# Altium PCB OpenCore_Carrier_Board.PcbDoc (part 4 of 5)
Units mm, origin at the board's own origin, x right, y up, seen from the top; angles counter-clockwise.
Board outline 161.24 x 91.44 mm, 6 copper layers (TOP, L2 GND, L3 PWR, L4 SIG, L5 GND, BOT), stack 1.538 mm thick; 268 components, 173 nets, 1302 pads, 1165 vias.
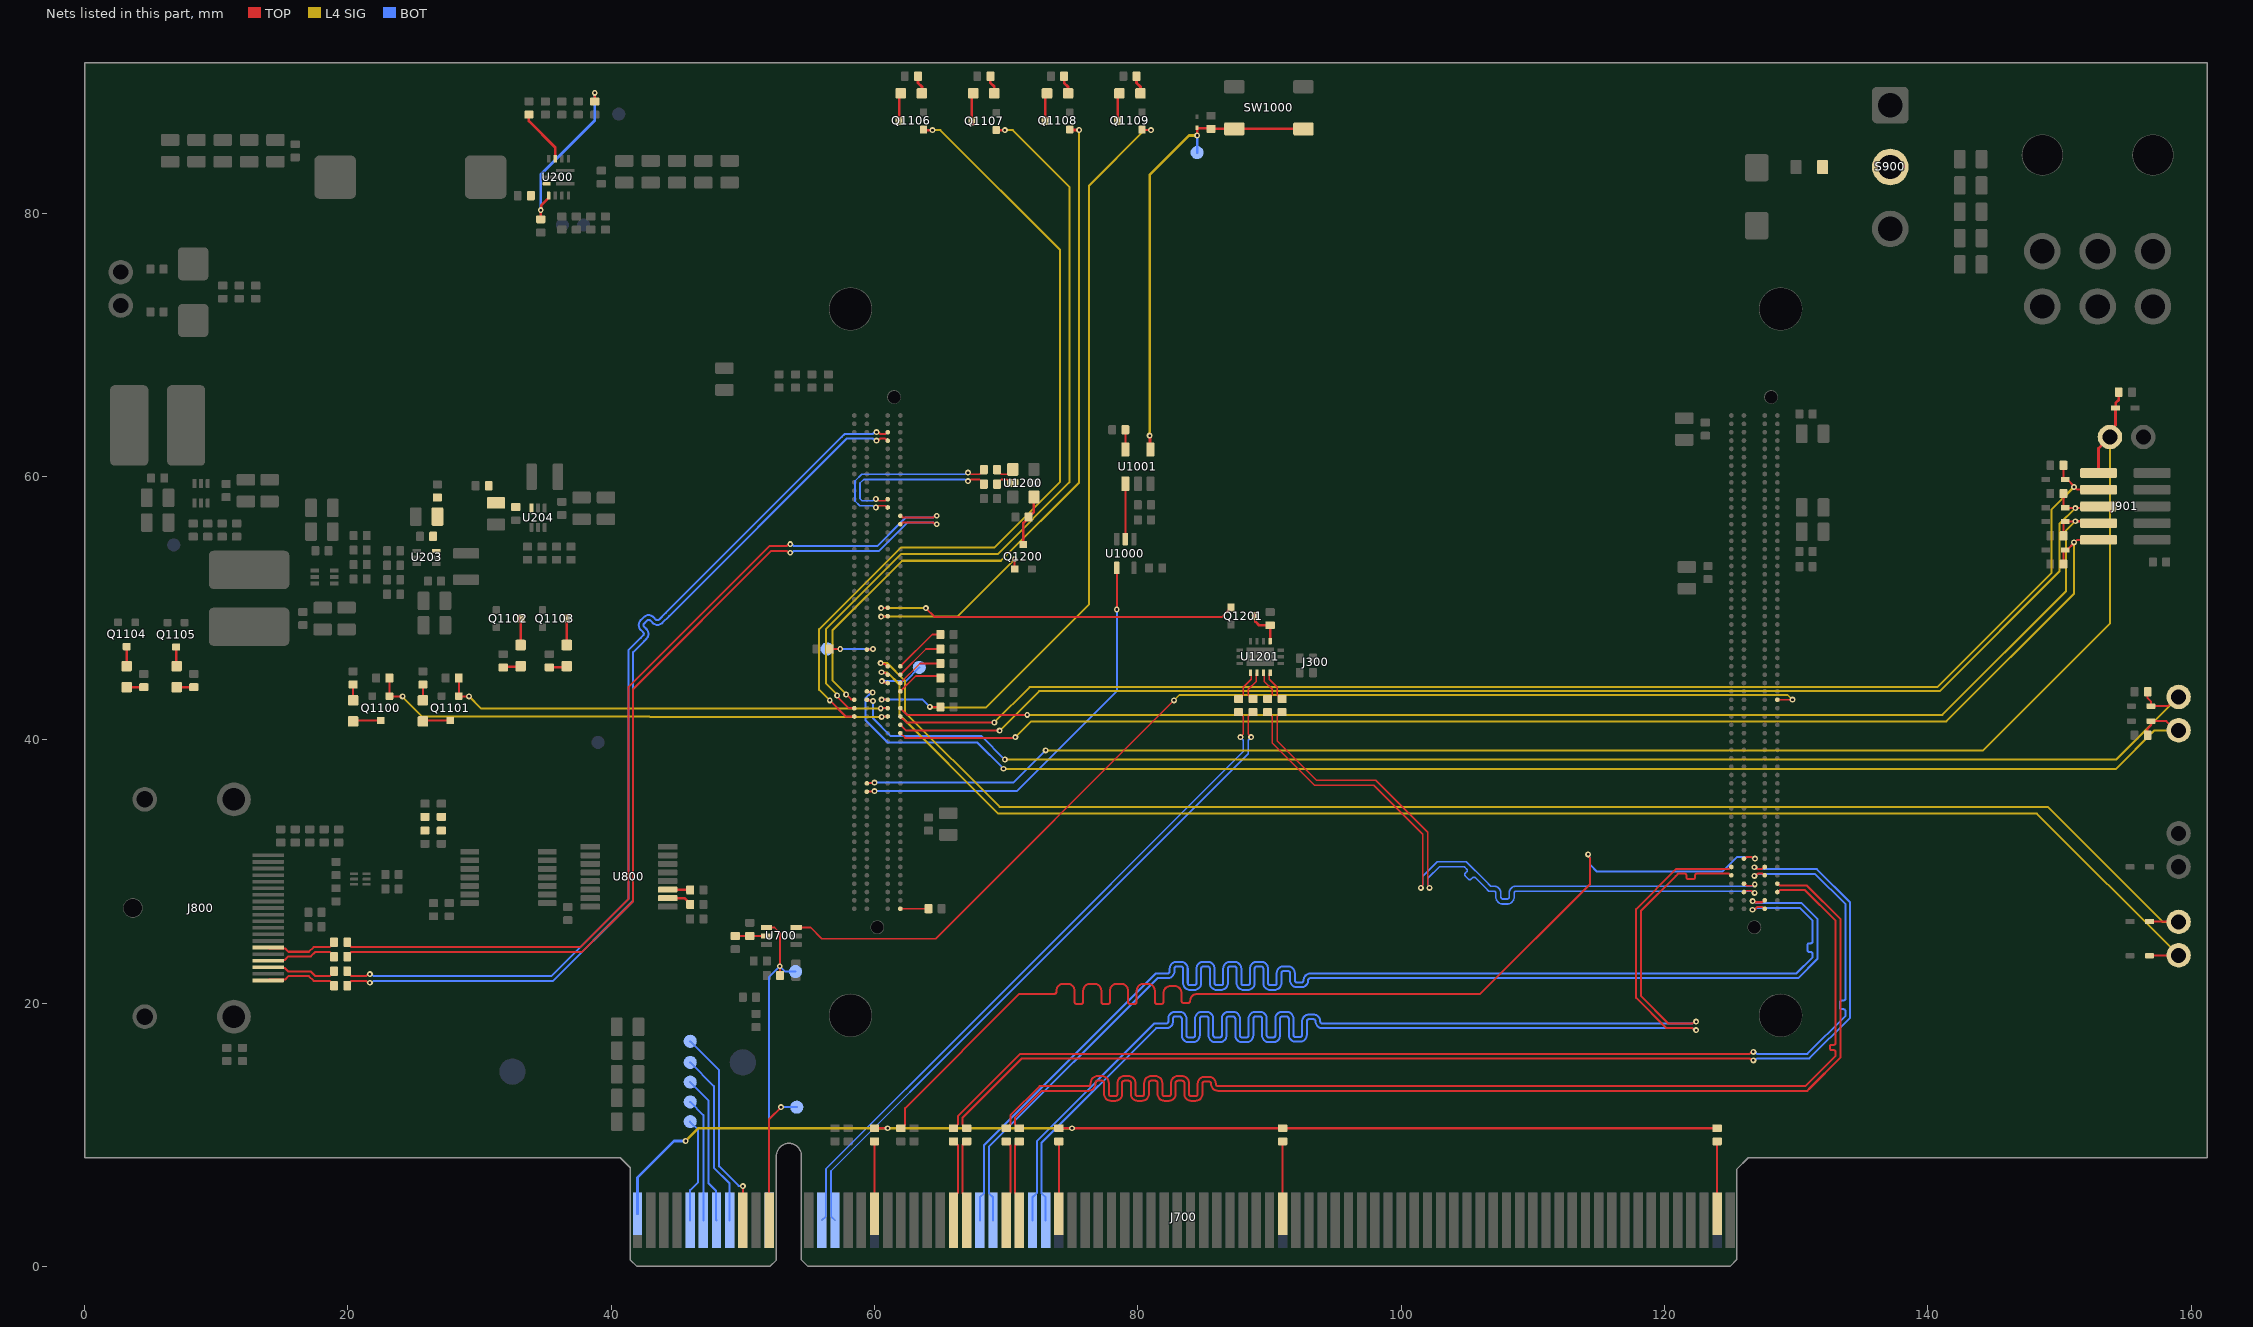
[diagram p8: the nets of this part, all layers, seen from the top]

## Via types
v1: diameter 0.45, hole 0.2, TOP to BOT, tented both sides, 1165 vias

## Nets (pads, with @x,y where several pads share a name; then routed paths per layer and width w, separated by ;. In a path a pad name is that pad's centre, name@x,y a point inside that pad or via, vN(x,y) a via of type N, cw(c..) or ccw(c..) an arc to the next point about the centre after c; other vN are vias at no path point) (continued)
GTH_DP1_M2C_P: C704.2 J300.S2_C7 | length 89.7
  TOP w0.152: C704.2@62,10.5 62.05,10.5 62.322,10.772 62.322,12.025 70.997,20.7 73.4,20.7 73.654,20.7 ccw(c73.654,20.865) 73.819,20.865 73.819,20.941 cw(c74.34,20.941) 74.34,21.462 74.67,21.462 cw(c74.67,20.941) 75.191,20.941 75.191,20.103 ccw(c75.356,20.103) 75.356,19.938 75.686,19.938 ccw(c75.686,20.103) 75.851,20.103 75.851,20.941 cw(c76.372,20.941) 76.372,21.462 76.702,21.462 cw(c76.702,20.941) 77.223,20.941 77.223,20.103 ccw(c77.388,20.103) 77.388,19.938 77.718,19.938 ccw(c77.718,20.103) 77.883,20.103 77.883,20.941 cw(c78.404,20.941) 78.404,21.462 78.734,21.462 cw(c78.734,20.941) 79.255,20.941 79.255,20.103 ccw(c79.42,20.103) 79.42,19.938 79.75,19.938 ccw(c79.75,20.103) 79.915,20.103 79.915,20.941 cw(c80.436,20.941) 80.436,21.462 80.766,21.462 cw(c80.766,20.941) 81.287,20.941 81.287,20.103 ccw(c81.452,20.103) 81.452,19.938 81.782,19.938 ccw(c81.782,20.103) 81.947,20.103 81.947,20.778 cw(c82.468,20.778) 82.468,21.299 82.798,21.299 cw(c82.798,20.778) 83.319,20.778 83.319,20.179 ccw(c83.484,20.179) 83.484,20.014 83.814,20.014 ccw(c83.814,20.179) 83.979,20.179 cw(c84.5,20.179) 84.5,20.7 85.751,20.7 106,20.7 114.347,29.047 114.347,31.018 114.257,31.108 114.257,31.243 v1(114.2,31.3) ; J300.S2_C7@126.035,30.977 126.086,30.977 126.226,31.117 126.593,31.117 126.683,31.027 126.818,31.027 v1(126.875,30.97)
  BOT w0.152: v1(114.2,31.3) 114.257,31.243 114.257,31.108 114.347,31.018 114.347,30.515 114.872,29.99 124.393,29.99 125.52,31.117 126.593,31.117 126.683,31.027 126.818,31.027 v1(126.875,30.97)
GTH_DP2_C2M_N: J300.S2_B2 J700.A26 | length 97.5
  TOP w0.152: v1(126.689,27.743) 126.746,27.686 126.904,27.686 126.927,27.663 127.424,27.663 127.564,27.802 J300.S2_B2@127.615,27.802
  BOT w0.152: J700.A26@69,3.5 69,5.25 68.678,5.572 68.678,9.078 81.494,21.894 82,21.894 82.254,21.894 ccw(c82.254,22.415) 82.775,22.415 82.775,22.618 cw(c82.94,22.618) 82.94,22.783 83.27,22.783 cw(c83.27,22.618) 83.435,22.618 83.435,21.526 ccw(c83.956,21.526) 83.956,21.005 84.286,21.005 ccw(c84.286,21.526) 84.807,21.526 84.807,22.618 cw(c84.972,22.618) 84.972,22.783 85.302,22.783 cw(c85.302,22.618) 85.467,22.618 85.467,21.526 ccw(c85.988,21.526) 85.988,21.005 86.318,21.005 ccw(c86.318,21.526) 86.839,21.526 86.839,22.618 cw(c87.004,22.618) 87.004,22.783 87.334,22.783 cw(c87.334,22.618) 87.499,22.618 87.499,21.526 ccw(c88.02,21.526) 88.02,21.005 88.35,21.005 ccw(c88.35,21.526) 88.871,21.526 88.871,22.618 cw(c89.036,22.618) 89.036,22.783 89.366,22.783 cw(c89.366,22.618) 89.531,22.618 89.531,21.526 ccw(c90.052,21.526) 90.052,21.005 90.382,21.005 ccw(c90.382,21.526) 90.903,21.526 90.903,22.274 cw(c91.068,22.274) 91.068,22.439 91.398,22.439 cw(c91.398,22.274) 91.563,22.274 91.563,21.729 ccw(c92.084,21.729) 92.084,21.209 92.414,21.209 ccw(c92.414,21.729) 92.935,21.729 cw(c93.1,21.729) 93.1,21.894 94.101,21.894 130.147,21.894 131.606,23.353 131.606,26.397 130.408,27.594 126.971,27.594 126.918,27.648 126.865,27.648 126.77,27.743 v1(126.689,27.743)
GTH_DP2_C2M_P: J300.S2_B1 J700.A25 | length 97.5
  TOP w0.152: v1(126.688,27.093) 126.745,27.15 126.881,27.15 127.039,27.307 127.424,27.307 127.564,27.167 J300.S2_B1@127.615,27.167
  BOT w0.152: J700.A25@68,3.5 68,5.25 68.322,5.572 68.322,9.225 81.347,22.25 82,22.25 82.254,22.25 ccw(c82.254,22.415) 82.419,22.415 82.419,22.618 cw(c82.94,22.618) 82.94,23.139 83.27,23.139 cw(c83.27,22.618) 83.791,22.618 83.791,21.526 ccw(c83.956,21.526) 83.956,21.361 84.286,21.361 ccw(c84.286,21.526) 84.451,21.526 84.451,22.618 cw(c84.972,22.618) 84.972,23.139 85.302,23.139 cw(c85.302,22.618) 85.823,22.618 85.823,21.526 ccw(c85.988,21.526) 85.988,21.361 86.318,21.361 ccw(c86.318,21.526) 86.483,21.526 86.483,22.618 cw(c87.004,22.618) 87.004,23.139 87.334,23.139 cw(c87.334,22.618) 87.855,22.618 87.855,21.526 ccw(c88.02,21.526) 88.02,21.361 88.35,21.361 ccw(c88.35,21.526) 88.515,21.526 88.515,22.618 cw(c89.036,22.618) 89.036,23.139 89.366,23.139 cw(c89.366,22.618) 89.887,22.618 89.887,21.526 ccw(c90.052,21.526) 90.052,21.361 90.382,21.361 ccw(c90.382,21.526) 90.547,21.526 90.547,22.274 cw(c91.068,22.274) 91.068,22.794 91.398,22.794 cw(c91.398,22.274) 91.919,22.274 91.919,21.729 ccw(c92.084,21.729) 92.084,21.564 92.414,21.564 ccw(c92.414,21.729) 92.579,21.729 cw(c93.1,21.729) 93.1,22.25 94.101,22.25 130,22.25 131.25,23.5 131.25,23.642 131.25,23.718 ccw(c131.085,23.718) 131.085,23.883 131.015,23.883 cw(c131.015,24.049) 130.85,24.049 130.85,24.379 cw(c131.015,24.379) 131.015,24.544 131.085,24.544 ccw(c131.085,24.709) 131.25,24.709 131.25,25.054 131.25,26.25 130.261,27.239 126.971,27.239 126.881,27.15 126.745,27.15 v1(126.688,27.093)
GTH_DP2_M2C_C_N: C707.1 J700.B24 | length 6.3
  TOP w0.152: J700.B24@67,3.5 67,5.25 66.678,5.572 66.678,9.228 66.95,9.5 C707.1@67,9.5
GTH_DP2_M2C_C_P: C706.1 J700.B23 | length 6.3
  TOP w0.152: J700.B23@66,3.5 66,5.25 66.322,5.572 66.322,9.228 66.05,9.5 C706.1@66,9.5
GTH_DP2_M2C_N: C707.2 J300.S2_B6 | length 89.7
  TOP w0.152: C707.2@67,10.5 66.95,10.5 66.678,10.772 66.678,11.275 71.203,15.8 126.468,15.8 126.558,15.71 126.693,15.71 v1(126.75,15.653) ; v1(126.823,30.322) 126.903,30.322 127.023,30.203 127.424,30.203 127.564,30.342 J300.S2_B6@127.615,30.342
  BOT w0.152: v1(126.75,15.653) 126.807,15.71 126.942,15.71 127.032,15.8 131.003,15.8 134.106,18.903 134.106,27.644 131.573,30.177 127.106,30.177 127.017,30.265 126.88,30.265 v1(126.823,30.322)
GTH_DP2_M2C_P: C706.2 J300.S2_B5 | length 89.7
  TOP w0.152: C706.2@66,10.5 66.05,10.5 66.322,10.772 66.322,11.422 71.056,16.156 126.468,16.156 126.558,16.246 126.693,16.246 v1(126.75,16.303) ; v1(126.825,29.672) 126.906,29.672 127,29.767 127.053,29.767 127.133,29.847 127.424,29.847 127.564,29.707 J300.S2_B5@127.615,29.707
  BOT w0.152: v1(126.75,16.303) 126.807,16.246 126.942,16.246 127.032,16.156 130.856,16.156 133.75,19.05 133.75,19.3 133.75,19.376 ccw(c133.585,19.376) 133.585,19.541 133.482,19.541 cw(c133.482,19.706) 133.317,19.706 133.317,20.037 cw(c133.482,20.037) 133.482,20.202 133.585,20.202 ccw(c133.585,20.367) 133.75,20.367 133.75,20.9 133.75,27.497 131.426,29.821 127.107,29.821 127.053,29.767 127,29.767 126.906,29.672 v1(126.825,29.672)
GTH_DP3_C2M_N: J300.S2_D6 J700.A30 | length 97.5
  TOP w0.152: v1(122.4,17.95) 122.343,18.007 122.208,18.007 122.118,18.097 120.15,18.097 117.844,20.403 117.844,27.147 120.9,30.203 124.884,30.203 125.024,30.342 J300.S2_D6@125.075,30.342
  BOT w0.152: J700.A30@73,3.5 73,5.25 72.678,5.572 72.678,9.378 81.397,18.097 81.9,18.097 82.154,18.097 ccw(c82.154,18.618) 82.675,18.618 82.675,18.821 cw(c82.84,18.821) 82.84,18.986 83.17,18.986 cw(c83.17,18.821) 83.335,18.821 83.335,17.56 ccw(c83.856,17.56) 83.856,17.039 84.186,17.039 ccw(c84.186,17.56) 84.707,17.56 84.707,18.821 cw(c84.872,18.821) 84.872,18.986 85.202,18.986 cw(c85.202,18.821) 85.367,18.821 85.367,17.56 ccw(c85.888,17.56) 85.888,17.039 86.218,17.039 ccw(c86.218,17.56) 86.739,17.56 86.739,18.821 cw(c86.904,18.821) 86.904,18.986 87.234,18.986 cw(c87.234,18.821) 87.399,18.821 87.399,17.56 ccw(c87.92,17.56) 87.92,17.039 88.25,17.039 ccw(c88.25,17.56) 88.771,17.56 88.771,18.821 cw(c88.936,18.821) 88.936,18.986 89.266,18.986 cw(c89.266,18.821) 89.431,18.821 89.431,17.56 ccw(c89.952,17.56) 89.952,17.039 90.282,17.039 ccw(c90.282,17.56) 90.803,17.56 90.803,18.821 cw(c90.968,18.821) 90.968,18.986 91.298,18.986 cw(c91.298,18.821) 91.463,18.821 91.463,17.594 ccw(c91.984,17.594) 91.984,17.073 92.314,17.073 ccw(c92.314,17.594) 92.835,17.594 92.835,18.618 cw(c93,18.618) 93,18.783 93.33,18.783 cw(c93.33,18.618) 93.495,18.618 ccw(c94.016,18.618) 94.016,18.097 95.581,18.097 122.118,18.097 122.208,18.007 122.343,18.007 v1(122.4,17.95)
GTH_DP3_C2M_P: J300.S2_D5 J700.A29 | length 97.5
  TOP w0.152: v1(122.4,18.6) 122.343,18.543 122.208,18.543 122.118,18.453 120.297,18.453 118.2,20.55 118.2,27 120.846,29.646 121.047,29.847 121.5,29.847 cw(c121.5,29.682) 121.665,29.682 121.665,29.576 ccw(c121.83,29.576) 121.83,29.411 122.16,29.411 ccw(c122.16,29.576) 122.325,29.576 122.325,29.682 cw(c122.491,29.682) 122.491,29.847 122.954,29.847 124.884,29.847 125.024,29.707 J300.S2_D5@125.075,29.707
  BOT w0.152: J700.A29@72,3.5 72,5.25 72.322,5.572 72.322,9.525 81.25,18.453 81.9,18.453 82.154,18.453 ccw(c82.154,18.618) 82.319,18.618 82.319,18.821 cw(c82.84,18.821) 82.84,19.342 83.17,19.342 cw(c83.17,18.821) 83.691,18.821 83.691,17.56 ccw(c83.856,17.56) 83.856,17.395 84.186,17.395 ccw(c84.186,17.56) 84.351,17.56 84.351,18.821 cw(c84.872,18.821) 84.872,19.342 85.202,19.342 cw(c85.202,18.821) 85.723,18.821 85.723,17.56 ccw(c85.888,17.56) 85.888,17.395 86.218,17.395 ccw(c86.218,17.56) 86.383,17.56 86.383,18.821 cw(c86.904,18.821) 86.904,19.342 87.234,19.342 cw(c87.234,18.821) 87.755,18.821 87.755,17.56 ccw(c87.92,17.56) 87.92,17.395 88.25,17.395 ccw(c88.25,17.56) 88.415,17.56 88.415,18.821 cw(c88.936,18.821) 88.936,19.342 89.266,19.342 cw(c89.266,18.821) 89.787,18.821 89.787,17.56 ccw(c89.952,17.56) 89.952,17.395 90.282,17.395 ccw(c90.282,17.56) 90.447,17.56 90.447,18.821 cw(c90.968,18.821) 90.968,19.342 91.298,19.342 cw(c91.298,18.821) 91.819,18.821 91.819,17.594 ccw(c91.984,17.594) 91.984,17.429 92.314,17.429 ccw(c92.314,17.594) 92.479,17.594 92.479,18.618 cw(c93,18.618) 93,19.139 93.33,19.139 cw(c93.33,18.618) 93.851,18.618 ccw(c94.016,18.618) 94.016,18.453 95.581,18.453 122.118,18.453 122.208,18.543 122.343,18.543 v1(122.4,18.6)
GTH_DP3_M2C_C_N: C709.1 J700.B28 | length 6.3
  TOP w0.152: J700.B28@71,3.5 71,5.25 70.678,5.572 70.678,9.228 70.95,9.5 C709.1@71,9.5
GTH_DP3_M2C_C_P: C708.1 J700.B27 | length 6.3
  TOP w0.152: J700.B27@70,3.5 70,5.25 70.322,5.572 70.322,9.228 70.05,9.5 C708.1@70,9.5
GTH_DP3_M2C_N: C709.2 J300.S2_A4 | length 92.6
  TOP w0.152: C709.2@71,10.5 70.95,10.5 70.678,10.772 70.678,11.331 72.692,13.344 76,13.344 76.254,13.344 ccw(c76.254,13.865) 76.775,13.865 76.775,13.941 cw(c76.94,13.941) 76.94,14.106 77.27,14.106 cw(c77.27,13.941) 77.435,13.941 77.435,13.103 ccw(c77.956,13.103) 77.956,12.582 78.286,12.582 ccw(c78.286,13.103) 78.807,13.103 78.807,13.941 cw(c78.972,13.941) 78.972,14.106 79.302,14.106 cw(c79.302,13.941) 79.467,13.941 79.467,13.103 ccw(c79.988,13.103) 79.988,12.582 80.318,12.582 ccw(c80.318,13.103) 80.839,13.103 80.839,13.941 cw(c81.004,13.941) 81.004,14.106 81.334,14.106 cw(c81.334,13.941) 81.499,13.941 81.499,13.103 ccw(c82.02,13.103) 82.02,12.582 82.35,12.582 ccw(c82.35,13.103) 82.871,13.103 82.871,13.941 cw(c83.036,13.941) 83.036,14.106 83.366,14.106 cw(c83.366,13.941) 83.531,13.941 83.531,13.103 ccw(c84.052,13.103) 84.052,12.582 84.382,12.582 ccw(c84.382,13.103) 84.903,13.103 84.903,13.88 cw(c85.068,13.88) 85.068,14.045 85.398,14.045 cw(c85.398,13.88) 85.563,13.88 85.563,13.865 ccw(c86.084,13.865) 86.084,13.344 86.705,13.344 130.844,13.344 131.053,13.553 133.356,15.856 133.356,26.394 130.817,28.933 128.766,28.933 128.626,29.072 J300.S2_A4@128.575,29.072
GTH_DP3_M2C_P: C708.2 J300.S2_A3 | length 92.7
  TOP w0.152: C708.2@70,10.5 70.05,10.5 70.322,10.772 70.322,11.478 72.544,13.7 76,13.7 76.254,13.7 ccw(c76.254,13.865) 76.419,13.865 76.419,13.941 cw(c76.94,13.941) 76.94,14.462 77.27,14.462 cw(c77.27,13.941) 77.791,13.941 77.791,13.103 ccw(c77.956,13.103) 77.956,12.938 78.286,12.938 ccw(c78.286,13.103) 78.451,13.103 78.451,13.941 cw(c78.972,13.941) 78.972,14.462 79.302,14.462 cw(c79.302,13.941) 79.823,13.941 79.823,13.103 ccw(c79.988,13.103) 79.988,12.938 80.318,12.938 ccw(c80.318,13.103) 80.483,13.103 80.483,13.941 cw(c81.004,13.941) 81.004,14.462 81.334,14.462 cw(c81.334,13.941) 81.855,13.941 81.855,13.103 ccw(c82.02,13.103) 82.02,12.938 82.35,12.938 ccw(c82.35,13.103) 82.515,13.103 82.515,13.941 cw(c83.036,13.941) 83.036,14.462 83.366,14.462 cw(c83.366,13.941) 83.887,13.941 83.887,13.103 ccw(c84.052,13.103) 84.052,12.938 84.382,12.938 ccw(c84.382,13.103) 84.547,13.103 84.547,13.88 cw(c85.068,13.88) 85.068,14.401 85.398,14.401 cw(c85.398,13.88) 85.919,13.88 85.919,13.865 ccw(c86.084,13.865) 86.084,13.7 86.705,13.7 130.697,13.7 133,16.003 133,16.2 133,16.276 ccw(c132.848,16.276) 132.848,16.429 132.682,16.429 cw(c132.682,16.53) 132.58,16.53 132.58,16.733 cw(c132.682,16.733) 132.682,16.835 132.848,16.835 ccw(c132.848,16.987) 133,16.987 133,17.3 133,26.247 130.67,28.577 128.766,28.577 128.626,28.437 J300.S2_A3@128.575,28.437
GTH_REFCLK0_C2M_N: J300.S2_C4 R1207.2 | length 50.7
  TOP w0.127: R1207.2@89.85,42.1 89.899,42.1 90.209,41.789 90.209,39.752 93.411,36.55 97.911,36.55 101.635,32.827 101.635,28.972 101.5,28.837 v1(101.5,28.75) ; J300.S2_C4@126.035,29.072 126.097,29.072 126.254,28.915 126.658,28.915 126.765,29.023 v1(126.852,29.023)
  BOT w0.127: v1(101.5,28.75) 101.5,28.837 101.635,28.972 101.635,29.635 102.75,30.75 104.95,30.75 106.4,29.3 106.81,28.89 107.029,28.89 cw(c107.029,28.35) 107.569,28.35 107.569,28.069 ccw(c107.728,28.069) 107.728,27.91 108.045,27.91 ccw(c108.045,28.069) 108.204,28.069 108.204,28.35 cw(c108.744,28.35) 108.744,28.89 108.998,28.89 126.632,28.89 126.765,29.023 v1(126.852,29.023)
GTH_REFCLK0_C2M_P: J300.S2_C3 R1206.2 | length 50.7
  TOP w0.127: R1206.2@90.95,42.1 90.901,42.1 90.59,41.789 90.59,39.91 93.569,36.931 98.069,36.931 102.016,32.985 102.016,28.972 102.15,28.837 v1(102.15,28.75) ; J300.S2_C3@126.035,28.437 126.097,28.437 126.194,28.534 126.601,28.534 126.762,28.373 v1(126.85,28.373)
  BOT w0.127: v1(102.15,28.75) 102.15,28.837 102.016,28.972 102.016,29.477 102.908,30.369 104.269,30.369 104.792,30.369 104.968,30.193 cw(c104.856,30.081) 104.968,29.968 104.877,29.877 ccw(c104.989,29.765) 104.877,29.652 105.101,29.428 ccw(c105.214,29.54) 105.326,29.428 105.417,29.519 cw(c105.53,29.407) 105.642,29.519 106.209,28.952 106.254,28.907 106.4,28.761 106.652,28.509 107.029,28.509 cw(c107.029,28.35) 107.188,28.35 107.188,28.069 ccw(c107.728,28.069) 107.728,27.529 108.045,27.529 ccw(c108.045,28.069) 108.585,28.069 108.585,28.35 cw(c108.744,28.35) 108.744,28.509 108.998,28.509 126.626,28.509 126.762,28.373 v1(126.85,28.373)
GTH_REFCLK0_C2M_R_N: R1207.1 U1201.10 | length 2.5
  TOP w0.127: U1201.10@89.55,45.1 89.609,45.04 89.609,44.433 90.209,43.833 90.209,43.411 89.899,43.1 R1207.1@89.85,43.1
GTH_REFCLK0_C2M_R_P: R1206.1 U1201.11 | length 2.5
  TOP w0.127: U1201.11@90.05,45.1 89.99,45.04 89.99,44.59 90.59,43.99 90.59,43.411 90.901,43.1 R1206.1@90.95,43.1
GTH_REFCLK0_EN: J300.S1_B37 Q1201.1 | length 27.7
  TOP w0.152: v1(60.5,50) 60.514,50.014 60.989,50.014 J300.S1_B37@61.003,50.027 ; v1(63.9,50) 64.555,49.345 86.395,49.345 87.075,50.025 Q1201.1@87.075,50.05
  L4 SIG w0.152: v1(60.5,50) v1(63.9,50)
GTH_REFCLK0_EN_3V3: Q1201.3 R1204.2 U1201.1 | length 2.9
  TOP w0.203: Q1201.3@88.925,49.4 88.925,48.975 89.2,48.7 R1204.2@90.05,48.7 U1201.1@90.05,47.5
GTH_REFCLK0_N: J700.A14 R1205.2 | length 52.2
  TOP w0.127: v1(88.6,40.2) 88.6,40.226 88.391,40.436 88.391,41.789 88.701,42.1 R1205.2@88.75,42.1
  BOT w0.127: J700.A14@57,3.5 56.713,3.787 56.713,5.588 56.691,5.611 56.691,7.252 68.596,19.157 87.919,38.481 88.391,38.952 88.391,39.964 88.6,40.174 v1(88.6,40.2)
GTH_REFCLK0_P: J700.A13 R1203.2 | length 52.2
  TOP w0.127: R1203.2@87.65,42.1 87.699,42.1 88.01,41.789 88.01,40.436 87.8,40.226 v1(87.8,40.2)
  BOT w0.127: J700.A13@56,3.5 56.287,3.787 56.287,5.588 56.31,5.611 56.31,7.41 68.327,19.427 87.65,38.75 88.01,39.11 88.01,39.964 87.8,40.174 v1(87.8,40.2)
GTH_REFCLK0_R_N: R1205.1 U1201.9 | length 2.5
  TOP w0.127: R1205.1@88.75,43.1 88.701,43.1 88.391,43.411 88.391,43.833 88.99,44.433 88.99,45.04 U1201.9@89.05,45.1
GTH_REFCLK0_R_P: R1203.1 U1201.8 | length 2.5
  TOP w0.127: R1203.1@87.65,43.1 87.699,43.1 88.01,43.411 88.01,43.99 88.609,44.59 88.609,45.04 U1201.8@88.55,45.1
GTR_DP0_M2C_C_N: C806.2 J800.3 | length 5.5
  TOP w0.152: J800.3@13.95,22.725 14.014,22.661 15.224,22.661 15.482,22.403 17.191,22.403 17.541,22.053 18.637,22.053 18.726,22.142 18.726,22.201 C806.2@18.95,22.425
GTR_DP0_M2C_C_P: C803.2 J800.1 | length 5.5
  TOP w0.152: J800.1@13.95,21.725 14.014,21.789 15.224,21.789 15.482,22.047 17.044,22.047 17.394,21.697 18.637,21.697 18.726,21.608 18.726,21.549 C803.2@18.95,21.325
GTR_DP0_M2C_N: C806.1 J300.S1_B58 | length 70.5
  TOP w0.152: C806.1@19.95,22.425 20.174,22.201 20.174,22.142 20.263,22.053 21.393,22.053 v1@21.483,22.143 ; v1@60.342,63.313 60.432,63.223 60.812,63.223 60.952,63.362 J300.S1_B58@61.003,63.362
  BOT w0.152: v1(21.675,22.2) 21.732,22.143 21.867,22.143 21.957,22.053 35.45,22.053 41.3,27.903 41.3,46.8 41.304,46.804 41.408,46.908 41.553,47.053 42.25,47.75 42.43,47.93 ccw(c42.313,48.046) 42.429,48.164 42.245,48.348 cw(c42.613,48.716) 42.245,49.084 42.478,49.318 cw(c42.846,48.95) 43.215,49.318 43.224,49.308 43.399,49.133 ccw(c43.516,49.25) 43.633,49.133 44.15,49.65 57.514,63.014 57.723,63.223 59.868,63.223 59.958,63.313 60.093,63.313 v1(60.15,63.37)
GTR_DP0_M2C_P: C803.1 J300.S1_B57 | length 70.5
  TOP w0.152: C803.1@19.95,21.325 20.174,21.549 20.174,21.608 20.263,21.697 21.393,21.697 v1@21.483,21.607 ; v1@60.342,62.777 60.432,62.867 60.812,62.867 60.952,62.727 J300.S1_B57@61.003,62.727
  BOT w0.152: v1(21.675,21.55) 21.732,21.607 21.867,21.607 21.957,21.697 35.597,21.697 41.655,27.755 41.655,46.652 41.659,46.657 42.501,47.499 42.681,47.678 ccw(c42.313,48.046) 42.733,48.354 42.733,48.362 42.682,48.414 ; 42.681,48.415 42.506,48.59 42.496,48.599 cw(c42.613,48.716) 42.496,48.833 42.73,49.066 cw(c42.846,48.95) 42.963,49.066 43.147,48.882 ccw(c43.516,49.25) 43.884,48.882 44.401,49.399 57.87,62.867 59.868,62.867 59.958,62.777 60.093,62.777 v1(60.15,62.72)
GTR_DP1_M2C_C_N: C808.2 J800.6 | length 5.5
  TOP w0.152: J800.6@13.95,24.225 14.014,24.161 15.224,24.161 15.482,23.903 17.044,23.903 17.394,24.253 18.637,24.253 18.726,24.342 18.726,24.401 C808.2@18.95,24.625
GTR_DP1_M2C_C_P: C807.2 J800.4 | length 5.5
  TOP w0.152: J800.4@13.95,23.225 14.014,23.289 15.224,23.289 15.482,23.547 17.191,23.547 17.541,23.897 18.637,23.897 18.726,23.808 18.726,23.749 C807.2@18.95,23.525
GTR_DP1_M2C_N: C808.1 J300.S1_A48 | length 70.8
  TOP w0.152: C808.1@19.95,24.625 20.174,24.401 20.174,24.342 20.263,24.253 37.653,24.253 41.3,27.9 41.3,44.003 52.008,54.711 53.318,54.711 53.408,54.801 53.543,54.801 v1(53.6,54.858) ; J300.S1_A48@61.963,57.012 62.014,57.012 62.154,56.873 64.443,56.873 v1@64.533,56.963
  BOT w0.152: v1(53.6,54.858) 53.657,54.801 53.792,54.801 53.882,54.711 60.208,54.711 62.162,56.664 62.37,56.873 64.443,56.873 64.533,56.963 64.668,56.963 v1(64.725,57.02)
GTR_DP1_M2C_P: C807.1 J300.S1_A47 | length 70.8
  TOP w0.152: C807.1@19.95,23.525 20.174,23.749 20.174,23.808 20.263,23.897 37.8,23.897 41.656,27.753 41.656,43.856 52.155,54.355 53.318,54.355 53.408,54.265 53.543,54.265 v1(53.6,54.208) ; J300.S1_A47@61.963,56.377 62.014,56.377 62.154,56.517 64.443,56.517 v1@64.533,56.427
  BOT w0.152: v1(53.6,54.208) 53.657,54.265 53.792,54.265 53.882,54.355 60.355,54.355 62.517,56.517 64.443,56.517 64.533,56.427 64.668,56.427 v1(64.725,56.37)
GTR_REFCLK1_C2M_N: J300.S1_B50 R1202.2 | length 13.3
  TOP w0.127: v1(60.1,58.29) 60.187,58.29 60.322,58.155 60.814,58.155 60.941,58.282 J300.S1_B50@61.003,58.282 ; v1(67.1,59.642) 67.187,59.642 67.322,59.777 67.994,59.777 68.305,59.466 R1202.2@68.305,59.417
  BOT w0.127: v1(60.1,58.29) 60.013,58.29 59.878,58.155 59.045,58.155 58.9,58.3 58.9,59.5 59.177,59.777 66.878,59.777 67.013,59.642 v1(67.1,59.642)
GTR_REFCLK1_C2M_P: J300.S1_B49 R1201.2 | length 14.6
  TOP w0.127: v1(60.1,57.64) 60.187,57.64 60.322,57.774 60.814,57.774 60.941,57.647 J300.S1_B49@61.003,57.647 ; v1(67.1,60.292) 67.187,60.292 67.322,60.158 67.994,60.158 68.305,60.469 R1201.2@68.305,60.517
  BOT w0.127: v1(60.1,57.64) 60.013,57.64 59.878,57.774 58.887,57.774 58.519,58.142 58.519,59.658 59.019,60.158 66.878,60.158 67.013,60.292 v1(67.1,60.292)
GTR_REFCLK1_C2M_R_N: R1202.1 U1200.5 | length 1.5
  TOP w0.127: R1202.1@69.305,59.417 69.305,59.466 69.615,59.777 70.089,59.777 70.373,59.492 U1200.5@70.505,59.492
GTR_REFCLK1_C2M_R_P: R1201.1 U1200.4 | length 1.6
  TOP w0.127: R1201.1@69.305,60.517 69.305,60.469 69.615,60.158 70.146,60.158 70.505,60.516 U1200.4@70.505,60.542
GTR_REFCLK1_EN: J300.S1_B36 Q1200.1 | length 13.2
  TOP w0.152: v1(60.5,49.35) 60.521,49.371 60.982,49.371 J300.S1_B36@61.003,49.392 ; Q1200.1@70.65,52.975 v1(70.65,53.727)
  L4 SIG w0.152: v1(60.5,49.35) 66.272,49.35 v1(70.65,53.727)
GTR_REFCLK1_EN_3V3: Q1200.3 R1200.2 U1200.1 | length 4
  TOP w0.203: Q1200.3@71.3,54.825 71.302,54.827 71.302,56.465 71.705,56.867 71.705,56.967 71.903,57.166 71.953,57.166 72.105,57.317 U1200.1@72.105,58.442
HP_PRSNT#1: J700.A1 R702.2 R703.2 R704.2 R705.2 | length 88.3
  TOP w0.203: R702.2@60,10.5 v1(61,10.5) ; R703.2@74,10.5 v1(75,10.5) R704.2@91,10.5 R705.2@124,10.5
  L4 SIG w0.203: v1(45.65,9.525) 46.625,10.5 v1(75,10.5)
  BOT w0.203: J700.A1@42,4 42,6.75 44.775,9.525 v1(45.65,9.525)
HP_PRSNT#2_X1: J700.B17 R702.1 | length 5.5
  TOP w0.152: J700.B17@60,4 R702.1@60,9.5
HP_PRSNT#2_X4: J700.B31 R703.1 | length 5.5
  TOP w0.152: J700.B31@74,4 R703.1@74,9.5
HP_PRSNT#2_X8: J700.B48 R704.1 | length 5.5
  TOP w0.152: J700.B48@91,4 R704.1@91,9.5